# KiCad board UsbSourceMeasure.kicad_pcb (continued)
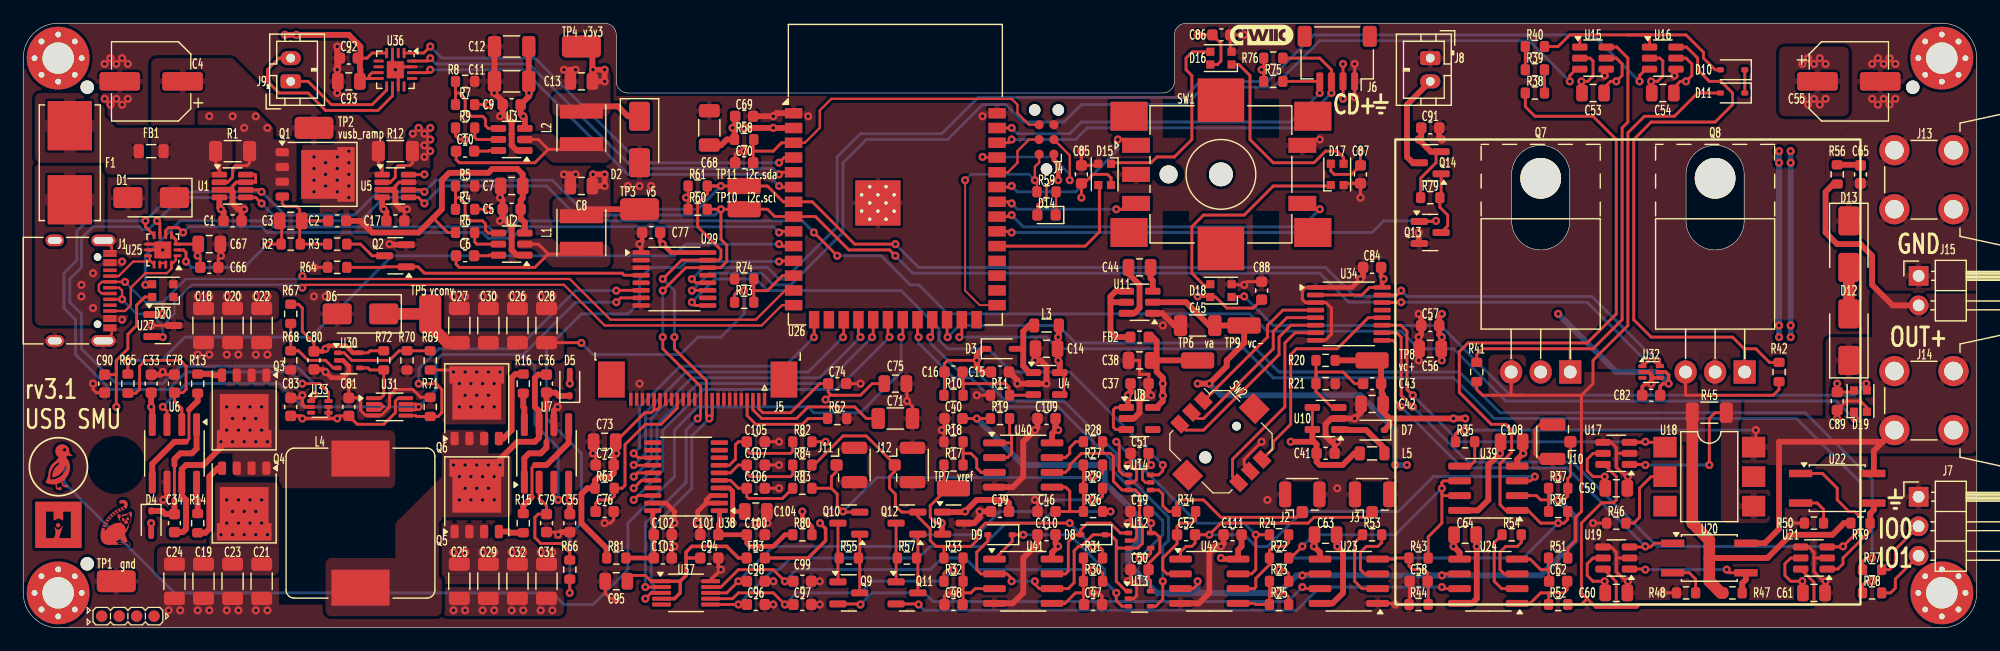
[diagram p0: board, top side]
## Routing (per net, layer and track width the routed paths; a pad name or vN(x,y) marks a point on that pad's centre or on a via; arc(x,y) is an arc through that point) (continued)
conv_ovp.comp.inn: length 7
  Front w0.25: U30.3 26.65,22.35 26,23 24.5,23 23.68,23.82 R68.1 R67.2
conv_ovp.comp.inp: length 8.6
  Front w0.25: U30.1 27.6,23.65 28.25,23 31.5,23 32.32,23.82 R70.1 R69.2
conv_ovp.output: length 5.5
  Front w0.25: 29.95,19.75 30.75,19.75 31,20 R72.2 29.82,22.18 29.65,22.35 U30.4
conv_sense.output: length 6
  Front w0.25: 62.82,29 64,29 65.29,30.29 U26.12 ; 62.82,29 R73.2 ; 62.82,29 R74.1
cv_amps.inn.1: length 44
  Front w0.25: R28.2 92.82,15 92.75,15 ; 94,7 94,7.5 93.5,8 D8.1 92,8 91,7 90.75,7 90.38,6.62 90.38,3.88 89.87,3.37 U41.6 87.38,3.37 87,3.75 v1(87,4) ; 94,7 94.15,6.85 U12.3 95.85,6.85 96.25,7.25 96.25,8.75 96,9 96,11.5 95.65,11.85 U14.3 94.5,11.85 93.75,12.6 93.75,14.75 93.5,15 92.75,15 ; 94,7 94,4 94.85,3.15 U13.1 ; D9.2 82.95,7.45 82,6.5 82,5 82.37,4.63 U41.2 84.62,4.63 85,4.25 v1(85,4) ; 92.75,15 91,15 90,14 90,13.75 89.62,13.37 U40.6
  Bottom w0.25: v1(85,4) v1(87,4)
cv_amps.inp.1: length 9.8
  Front w0.25: 90,10 R26.2 R29.2 R27.2 ; 90,10 90,11.75 89.66,12.09 U40.5 ; 90,10 C46.1
cv_amps.out.1: length 3.6
  Front w0.25: R28.1 90.5,16 90,15.5 90,15 89.63,14.63 U40.7
dac.out0: length 39.7
  Front w0.25: v1(61.5,2) C96.1 59.2,2 ; R26.1 v1(93.5,10)
  Bottom w0.25: v1(93.5,10) 88.5,10 87.5,9 84.5,9 82.5,7 78,7 77,6 66,6 65,5 64.5,5 v1(61.5,2)
dac.out1: length 25
  Front w0.25: 59.2,2.5 61,2.5 61.5,3 64.5,3 v1(65.5,2) C97.1 ; R32.1 79.18,4.67 79.5,5 v1(80,5)
  Bottom w0.25: v1(65.5,2) 66.5,3 72,3 73,4 79,4 v1(80,5)
dac.out2: length 37.7
  Front w0.25: v1(92,11) 92.5,11 92.82,11.33 R29.1 ; v1(61.5,4) 60.5,3 59.2,3
  Bottom w0.25: v1(61.5,4) 64.5,7 76,7 77,8 82,8 84,10 87,10 88,11 v1(92,11)
dac.out3: length 37.4
  Front w0.25: C99.1 v1(65.5,4) 64.5,5 61.5,5 60,3.5 59.2,3.5 ; R30.1 92.82,4.67 92.5,5 v1(92,5)
  Bottom w0.25: v1(65.5,4) 66.5,5 78,5 79,6 81,6 82,5 v1(92,5)
dac_ferrite.pwr_out: length 17.8
  Front w0.25: C95.1 51.95,4.5 53.5,4.5 54,4 U37.1
  Front w0.3: 57,6 58.05,6 ; 57,6 57,6.5 57.5,7 60.5,7 61.5,6 FB3.2 ; 57,6 57,4.5 56.5,4 ; 54.8,2.5 56,2.5 56.5,3 56.5,4 ; 56.5,4 54.8,4
dir.a: length 13.5
  Front w0.25: U34.4 108.32,27.32 107,26 107,25 101.54,19.54 SW2.1
dir.b: length 19.2
  Front w0.25: SW2.4 107.5,15.44 107.5,16 109,17.5 109,23.5 109.5,24 113,24 115.68,26.68 U34.12
dir.c: length 16.5
  Front w0.25: SW2.3 99.98,17 101.5,17 108,23.5 108,25 109.03,26.02 U34.6
dir.center: length 15.4
  Front w0.25: U34.5 108.68,26.68 107.5,25.5 107.5,24 101.5,18 101,18 SW2.2
dir.d: length 17.1
  Front w0.25: SW2.6 104,12.98 104,14.5 108.5,19 108.5,24.5 109.38,25.38 U34.7
dut0_clamp.signal_out: length 95.3
  Front w0.25: U26.24 79.44,25.05 v1(79.5,25) ; R77.2 158.18,5.67 158.5,6 v1(159,6)
  Bottom w0.25: v1(159,6) 159,12.73 153.23,18.5 127,18.5 123.5,22 108,22 105.5,24.5 90.5,24.5 89,26 80.5,26 v1(79.5,25)
dut1_clamp.signal_out: length 94.8
  Front w0.25: R78.2 158.18,3.67 158.5,4 v1(159,4) ; v1(80.5,25) 80.72,25.21 U26.25
  Bottom w0.25: v1(80.5,25) 88,25 89,24 105,24 107.5,21.5 123,21.5 126.5,18 152.5,18 158,12.5 158,5 v1(159,4)
dutio.io0: length 5.7
  Front w0.25: J7.2 161,6.73 161,5.5 160.5,5 R77.1 160.1,5
dutio.io1: length 5
  Front w0.25: J7.3 161,4.19 161,3.41 160.59,3 R78.1
enc.a: length 14.8
  Front w0.25: v1(85,38) 84.91,37.91 U26.35 ; v1(94.13,42) 95.2,42 SW1.A
  Bottom w0.25: v1(85,38) 85.5,37.5 90.5,37.5 94.13,41.13 v1(94.13,42)
enc.b: length 12.4
  Front w0.25: U26.34 84.86,36.64 v1(85,36.5) ; v1(94,36) 95.25,36 95.7,36.45
  Bottom w0.25: v1(94,36) 85.5,36 v1(85,36.5)
enc.sw: length 30.5
  Front w0.25: v1(111.5,36) 110.5,36 SW1.S1 ; U26.33 84.87,35.37 v1(85,35.5)
  Bottom w0.25: v1(85,35.5) 86,34.5 110,34.5 v1(111.5,36)
fan.pwr: length 8.6
  Front w0.5: Q14.3 119.5,40 119,40.5 119,45 J8.2
fan_drv.control: length 39.7
  Front w0.25: v1(121.5,35) 121.45,34.95 Q13.1 ; v1(85,34) 84.9,34.1 U26.32
  Bottom w0.25: v1(85,34) 116,34 117,35 v1(121.5,35)
fan_drv.pre.drain: length 5.6
  Front w0.25: Q14.1 121.94,37.11 R79.2 121.82,36.17 122.5,35.5 122.5,34.56 Q13.3
filt_vcontroln.pwr_out: length 7.8
  Front w0.5: FB2.2 94,25 93.5,25.5 93.5,28 ; 93.5,28 93.5,28.5 93.95,28.95 U11.4 ; 93.5,28 U11.5
filt_vusb.pwr_out: length 2.2
  Front w0.25: R1.1 16.54,40 16.86,39.67 U1.1
i2c_pull.i2c.scl: length 228.9
  Front w0.25: v1(55,29) 56.97,30.98 U29.14 59.97,30.98 60.5,31.5 60.5,32.91 60,33.41 v1(60,36) ; v1(75,32) 74.5,32.5 71,32.5 68.13,35.37 U26.8 64.63,35.37 64,36 TP10.1 v1(60,36) ; 58.25,19.73 58.25,18.25 v1(58,18) ; v1(34.5,36.5) 33.97,37.02 U5.5 ; R60.2 v1(60,36) ; U1.5 19.97,37.02 v1(20.5,36.5) ; 58.25,19.75 58.25,20.75 55,24 v1(55,25) ; U25.6 11.75,34.75 v1(11.5,35) ; U33.1 24.75,19.75 v1(25,20) ; v1(139.5,23) 139.25,22.75 U32.1 ; U34.14 118.47,27.98 v1(118.5,28) ; 54.8,3.5 v1(53.5,3.5)
  Bottom w0.25: v1(55,25) v1(55,29) ; v1(60,36) 59.5,35.5 47.5,35.5 45,38 36,38 v1(34.5,36.5) 34,37 31,37 29,35 22,35 v1(20.5,36.5) 20,37 13.5,37 v1(11.5,35) 10.75,34.25 10.25,34.25 10,34.5 6,34.5 5,33.5 5,31 4,30 4,28 5,27 5,24 8,21 12,21 13.5,22.5 23.5,22.5 25,21 v1(25,20) ; v1(139.5,23) 134.5,28 v1(118.5,28) 114,28 111.5,30.5 76.5,30.5 v1(75,32) ; v1(53.5,3.5) 53.5,9 57,12.5 57,17 v1(58,18)
i2c_pull.i2c.sda: length 241.2
  Front w0.25: v1(20.5,37.5) 20.32,37.67 U1.6 ; R61.2 58.82,37.33 58,36.5 58,34.5 60,32.5 60,31.81 59.81,31.62 U29.15 56.62,31.62 v1(55,30) ; R61.2 TP11.1 64,38 65.36,36.64 U26.7 67.86,36.64 71.5,33 v1(75,33) ; R61.2 v1(60,38) ; U25.7 10.5,34.51 v1(10.5,35) ; v1(56,25) 56,24 58.75,21.25 58.75,20.25 ; v1(24,21) 25.5,21 26.25,20.25 U33.6 ; U5.6 34.32,37.67 v1(34.5,37.5) ; 59.25,19.73 59.25,18.25 v1(59,18) 58.75,18.25 58.75,19.73 ; v1(53.5,2.5) 54,3 54.8,3 ; U32.6 140.75,22.75 v1(140.5,23) ; U34.15 118.12,28.62 v1(118.5,29)
  Bottom w0.25: v1(56,25) 56,29 v1(55,30) ; v1(60,38) 58,36 48,36 45.5,38.5 35.5,38.5 v1(34.5,37.5) 30.5,37.5 28.5,35.5 22.5,35.5 v1(20.5,37.5) 13,37.5 v1(10.5,35) 5.5,35 4.6,34.1 4.6,31.6 3.5,30.5 3.5,27.5 4.5,26.5 4.5,23.5 7.5,20.5 12.5,20.5 14,22 23,22 v1(24,21) ; v1(53.5,2.5) 54.25,3.25 54.25,3.63 54,3.88 54,8.5 57.5,12 57.5,16.5 v1(59,18) ; v1(75,33) 77,31 112,31 114.5,28.5 118,28.5 v1(118.5,29) 119,28.5 134.9,28.5 140.4,23 v1(140.5,23)
ioe_ctl.io.off_0: length 51.7
  Front w0.25: U29.9 57.78,27.73 v1(57.5,28) ; U14.6 97.65,13.15 98,13.5 v1(98,14)
  Bottom w0.25: v1(98,14) 90,22 85,22 83,24 79.5,24 78.75,24.75 78.75,25.75 75.5,29 64,29 63,30 59.5,30 v1(57.5,28)
ioe_ui.io.irange_0: length 34.3
  Front w0.25: U34.11 118.47,26.02 119,25.5 119,20.5 v1(119.5,20) ; v1(139.5,16) 139.45,15.95 U17.3 140.78,15.95 U18.1
  Bottom w0.25: v1(119.5,20) 123.5,16 v1(139.5,16)
ioe_ui.io.irange_1: length 36.8
  Front w0.25: U34.9 117.78,24.73 118,24.5 118,19.5 v1(118.5,19) ; 139.5,6.95 U19.3 ; 139.5,6.95 139.95,6.95 140.27,7.27 U20.1 ; 139.5,6.95 v1(139.5,7)
  Bottom w0.25: v1(139.5,7) 132.75,13.75 123.75,13.75 v1(118.5,19)
ioe_ui.io.irange_2: length 62.1
  Front w0.25: 156.45,6.95 v1(156.5,7) ; 156.45,6.95 158,8.5 158,9.5 157.5,10 157,10 156,11 156,12 154.73,13.27 U22.1 ; 156.45,6.95 U21.3 ; v1(119.5,19) 118.5,20 118.5,25 118.12,25.38 U34.10
  Bottom w0.25: v1(156.5,7) 140.5,7 133.25,14.25 124.25,14.25 v1(119.5,19)
led.res.a: length 2
  Front w0.2: D14.1 88.82,35.54 R59.1
mcu.program_boot_node: length 22.6
  Front w0.16: v1(81,38.5) 81,29 82.25,27.75 U26.27
  Front w0.2: J4.2 87.37,40.02 87,39.66 v1(87,38.5) 87.18,38.33 R59.2
  Bottom w0.2: v1(81,38.5) 81.5,39 86.5,39 v1(87,38.5)
mcu.program_en_node: length 30.7
  Front w0.2: J4.6 86.5,43.27 85.5,44.27 85.5,45 85,45.5 69.5,45.5 68.5,44.5 68.5,43 67.22,41.72 U26.3
  Front w0.25: 62.78,41 62.78,40.05 ; 62.78,41 64.5,41 65.22,41.72 U26.3 ; 62.78,41 62.78,41.95 R58.2
mcu.program_uart_node.a_tx: length 14
  Front w0.2: v1(82.5,40.5) 82.55,40.45 U26.37 ; J4.3 90,40.63 v1(90,38.5)
  Bottom w0.2: v1(90,38.5) 90,39 88.5,40.5 v1(82.5,40.5)
mcu.program_uart_node.b_tx: length 5.4
  Front w0.2: J4.4 86.5,42 85.5,41 85.5,40 84.68,39.18 U26.36
mi_rc.output: length 8.3
  Front w0.25: R84.2 66.18,13.17 66,13 62.5,13 62.22,13.27 C107.1 61.5,14 60.82,13.33 U38.6
mv_rc.output: length 7.7
  Front w0.25: R83.2 65.3,11.12 62.38,11.12 62.22,11.27 C106.1 61.5,12 60.82,12.67 U38.5
oled.device.vcomh: length 13.3
  Front w0.25: 74,18 72.5,18 71.5,19 67.5,19 66.5,18 63.5,18 62.75,18.75 J5.3
oled.iref_res.a: length 8.8
  Front w0.25: R62.1 67.5,18 67,17.5 63,17.5 62.25,18.25 J5.4
oled.reset: length 14.3
  Front w0.25: J5.16 56.25,18.9 54.85,17.5 53.5,17.5 51.75,15.75 51.75,12.25 51.5,12 R63.2 50.82,11.33 50.5,11 49.5,11 49.22,10.73 C76.1
outp.port: length 69.3
  Front w0.25: v1(149,17) 149,15.73 U18.6 ; v1(124,17) 123.5,17 123.18,16.67 R35.1
  Front w0.5: 159.96,16.04 159.15,15.23 U22.4 ; 159.96,16.04 J14.1 ; 159.96,16.04 159.92,16 151,16 151,8.5 149.77,7.27 U20.4 ; J15.2 160.77,27.73 159,29.5 159,32 158,33 156,33 155,34 155,37.5 155.68,38.17 R56.1
  Bottom w0.25: v1(149,17) v1(124,17)
pd.ic.vconn: length 0.5
  Front w0.2: 11.75,31.38 12.25,31.38
pd.int: length 56
  Front w0.25: U25.5 12.25,34.16 12.5,34.41 13.34,34.41 v1(13.75,34) ; v1(65,34) 65.1,34.1 U26.9
  Bottom w0.25: v1(65,34) 64.5,34.5 43,34.5 42,33.5 40,33.5 39.5,34 21,34 20.5,34.5 14.25,34.5 v1(13.75,34)
qwiic_pull.i2c.scl: length 32.6
  Front w0.25: R75.2 J6.4 ; v1(85,43) 84.99,42.99 U26.39
  Bottom w0.25: v1(111.5,46) 109,43.5 91,43.5 90,42.5 85.5,42.5 v1(85,43)
qwiic_pull.i2c.sda: length 36.1
  Front w0.25: U26.38 84.72,41.72 v1(85,42) ; R76.2 111.5,49 112.5,48 J6.3
  Bottom w0.25: v1(85,42) 90.5,42 91.5,43 109.5,43 v1(112.5,46)
ramp.ctl_fet.drain: length 3.7
  Front w0.25: R3.2 29,33 30,32 Q2.3
ramp.div.center: length 10.1
  Front w0.25: R3.1 R2.2 23.78,33.05 23.78,35 ; Q1.4 22.28,36.48 22.5,36.25 23.5,36.25 23.78,35.98 23.78,35 ; 23.78,35 C2.2
ramp_pull.io: length 25.6
  Front w0.25: R64.2 31,31 31.05,31.05 Q2.1 33.95,31.05 34.5,30.5 51.5,30.5 51.68,30.32 U29.4
ref_buf.output: length 6.2
  Front w0.25: U40.2 84.63,14.63 85,15 85,16.5 84.82,16.67 R19.1 ; U40.1 85,15.91
ref_div.output: length 5.8
  Front w0.25: U40.3 82.38,13.37 82,13.75 82,14.5 81.5,15 80.82,15 ; 80.82,15 R17.2 ; 80.82,15 R18.1
reg_3v3.boot_cap.neg: length 14.5
  Front w0.25: 45.15,41.15 48,41.15 ; 45.15,41.15 44,40 37.5,40 37.22,40.27 C10.2 ; 45.15,41.15 44.3,42 U3.2
reg_3v3.boot_cap.pos: length 2.1
  Front w0.25: C10.1 40,41 40.05,41.05 U3.6
reg_3v3.en_res.b: length 2.9
  Front w0.25: U3.5 39,42 38.82,42.17 R9.2
reg_3v3.fb.output: length 7.9
  Front w0.25: U3.4 40,42.95 39.75,43.2 39.75,43.75 39.5,44 38.5,44 38,44.5 38,45.5 37.5,46 37.18,46 ; 37.18,46 R7.2 ; 37.18,46 R8.1
reg_v5.boot_cap.neg: length 14.5
  Front w0.25: C6.2 37.22,31.27 37.5,31 44,31 45.15,32.15 ; 45.15,32.15 44.3,33 U2.2 ; 45.15,32.15 48,32.15
reg_v5.boot_cap.pos: length 2.1
  Front w0.25: C6.1 40,32 40.05,32.05 U2.6
reg_v5.en_res.b: length 2.9
  Front w0.25: R6.2 38.82,33.17 39,33 U2.5
reg_v5.fb.output: length 7.9
  Front w0.25: U2.4 40,33.95 39.75,34.2 39.75,34.75 39.5,35 38.5,35 38,35.5 38,36.5 37.5,37 37.18,37 ; R5.1 37.18,37 ; 37.18,37 R4.2
reg_v12.fb.output: length 8.8
  Front w0.25: R10.2 80.82,22 ; R11.1 86.81,20 ; 84.78,20 84.78,20.73 84.5,21 80.82,21
reg_v12.power_path.switch: length 6.2
  Front w0.5: L3.2 86.5,26 86,25.5 86,24 ; 86,24 86,22.5 86.55,21.95 U4.1 ; 86,24 D3.2
reg_vcontrol.fb.output: length 10
  Front w0.25: 111.18,21.68 R21.1 111.18,20.32 112.55,18.95 U10.3 ; 111.18,21.68 R20.2 ; 111.18,21.68 111.18,22 113.5,22 114.5,21 C43.2
reg_vcontrol.power_path.switch: length 5
  Front w0.5: U10.1 113.95,17.05 114,17 115.5,17 117.06,15.44 L5.2
reg_vcontroln.cf.neg: length 2.1
  Front w0.5: C44.2 96.95,30.05 97.14,29.86 U11.3
reg_vcontroln.cf.pos: length 5.2
  Front w0.5: U11.6 95.55,27.05 96,27.5 96,29.5 95.05,30.45 C44.1
rgbs.din: length 13.4
  Front w0.25: U26.31 91.33,32.83 92.55,34.05 92.55,37.98 D15.3
rgbs.led[0].dout: length 17.3
  Front w0.25: D16.3 100.55,49.55 100,49 100,48 100.5,47.5 100.5,42 99,40.5 97.5,40.5 97,40 93.63,40 D15.1
rgbs.led[1].dout: length 17.5
  Front w0.25: D17.3 113.55,40.45 113,41 112,41 111,40 107.5,40 105.5,42 105.5,47.5 104.55,48.45 D16.1
rgbs.led[2].dout: length 19.4
  Front w0.25: D17.1 112.37,38 107.5,38 105,35.5 101.5,35.5 100.5,34.5 100.5,30.5 101.55,29.45 102,29.45
rgbs.led[3].dout: length 59.2
  Front w0.25: D18.1 103.97,28.5 v1(105,28.5) ; v1(158.5,21) 158.5,20.39 158.55,20.34
  Bottom w0.25: v1(105,28.5) 107.5,26 121.9,26 127.9,20 157.5,20 v1(158.5,21)
rgbs.led[4].dout: length 159.7
  Front w0.25: v1(10.5,29.5) 10.55,29.55 D20.3 ; 157.45,18.5 157.45,18.05 v1(157.5,18) ; v1(70,32) v1(68,34)
  Bottom w0.25: v1(70,32) 73.78,32 76.28,29.5 77,29.5 79.5,27 105.5,27 107,25.5 118.5,25.5 120,24 123,24 127.5,19.5 155.93,19.5 157.43,18 v1(157.5,18) ; v1(10.5,29.5) 10.5,32 13.5,35 21,35 21.5,34.5 40,34.5 40.5,34 41.5,34 42.5,35 67,35 v1(68,34)
spk_drv.i2s.sck: length 37.1
  Front w0.25: v1(35,49) 34.75,48.75 U36.16 ; v1(65,39) 65.18,39.18 U26.5
  Bottom w0.25: v1(65,39) 64.5,39.5 52.5,39.5 43.5,48.5 35.5,48.5 v1(35,49)
spk_drv.i2s.sd: length 38.1
  Front w0.25: v1(35,50) 34.44,49.44 U36.1 ; U26.4 65.45,40.45 v1(65,40)
  Bottom w0.25: v1(35,50) 36,49 44,49 53,40 v1(65,40)
spk_drv.i2s.ws: length 37.1
  Front w0.25: v1(65,38) 65.09,37.91 U26.6 ; v1(35,48) 34.75,47.75 U36.14
  Bottom w0.25: v1(65,38) 64,39 52,39 43,48 v1(35,48)
spk_drv.out.a: length 9.9
  Front w0.25: U36.9 31.25,46.25 30,45 26.5,45 24.5,47 J9.1
spk_drv.out.b: length 16.5
  Front w0.25: J9.2 22,49 21,48 21,47 22,46 24.5,46 26,44.5 30.5,44.5 31.75,45.75 U36.10
touch_duck.pad: length 97.1
  Front w0.25: v1(75.5,25) 75.63,25.14 U26.21
  Bottom w0.25: v1(3.55,15.3) 3.55,12.45 13,3 45.5,3 46.5,2 49,2 52,5 52,9 56,13 56,17 58,19 67.5,19 68,18.5 72,18.5 75.5,22 v1(75.5,25)
usb.cc.cc1: length 5
  Front w0.2: 10.88,31.61 11.11,31.38 11.25,31.38 ; 10.88,31.61 10.76,31.5 9.45,31.5 8.2,30.25 7.33,30.25 ; 10.88,31.61 10.88,32
usb.cc.cc2: length 8.9
  Front w0.2: 12.75,31.38 12.89,31.38 13.12,31.61 13.12,32 ; U25.14 12.75,30.9 12.35,30.5 10.5,30.5 9.25,29.25 9.25,27.75 8.75,27.25 J1.B5
usb.pwr:
  vias: v1(5,29.5) v1(5,28.5) v1(6,30.5) v1(6,27.5) v1(8.5,31.5) v1(8.5,26.5)
usb_chain_0.d_N: length 67.8
  Front w0.2: v1(12,27) 11.11,27 U27.1 ; v1(24,30.25) 24.25,30 47,30 50.5,26.5 63,26.5 65.52,29.02 U26.13 ; 7.61,28.75 6.75,28.75 6.5,29 6.5,29.5 6.75,29.75 J1.B7 v1(8.75,29.75)
  Bottom w0.2: v1(8.75,29.75) 10.5,28 12,28 ; 12,28 v1(12,27) ; 12,28 14,30 23.75,30 v1(24,30.25)
usb_chain_0.d_P: length 67.1
  Front w0.2: 8.5,28.5 8.25,28.25 7.33,28.25 ; 8.5,28.5 v1(8.5,28.25) ; 8.5,28.5 8.5,29 8.25,29.25 7.61,29.25 ; v1(24,29.25) 24.25,29.5 46.5,29.5 50,26 63.5,26 65.25,27.75 U26.14
  Bottom w0.2: 12,26 13,27 13,28 14.5,29.5 23.75,29.5 v1(24,29.25) ; 12,26 11,27 9.75,27 v1(8.5,28.25) ; 12,26 v1(12,25)
vanalog: length 95.2
  Front w0.25: 97,4.77 C50.1 ; C50.1 96.78,4.23 96.95,4.05 U13.5 ; C50.1 96.78,5.52 97.75,6.5 97.75,7.75 97.35,8.15 U12.5 96.95,8.95 v1(97,9) 96.78,9.23 C49.1 97,9.77 ; U14.5 96.5,12.5 96.25,12.76 96.25,13.5 96.75,14 v1(97,14) 96.78,14.23 C51.1
  Front w0.4: R80.1 67.82,8.67 67,9.5 v1(67,10)
  Front w0.5: v1(103,6) 103.09,5.91 U42.8 104.47,6.7 104.78,7 C111.1 ; U8.5 97.45,18.95 98,19.5 98,21.5 97.47,22.02 97.47,23 ; 97.47,23 97.47,24.67 97.14,25 FB2.1 ; 97.47,23 TP6.1 ; v1(89,17) 88.78,17.23 C109.1 88.78,17 88.47,16.7 U40.8 ; C110.1 88.78,7.23 v1(89,7) 88.47,6.48 U41.8
  In2.Cu w0.5: 91,15 96,15 ; 91,15 89,13 89,9 ; 91,15 v1(89,17) ; 96,15 v1(97,14) v1(97,9) 99,9 102,6 v1(103,6) ; 96,15 98,17 v1(98,21) ; v1(67,10) 69,10 70,11 71,11 72,10 79.5,10 80.5,9 89,9 ; 89,9 v1(89,7)
  vias: v1(98,19.97)
vcen_rc.output: length 9.6
  Front w0.25: U38.7 60.72,13.98 61.25,14.5 61.25,15.75 61.5,16 C105.1 62.22,15.27 62.5,15 66,15 66.18,15.17 R82.2
vcenter: length 99.9
  Front w0.25: v1(110,4.5) 110.13,4.63 U23.6 ; v1(122,4.5) 122.13,4.63 U24.6 ; C40.1 R19.2 ; v1(108,3) 108.5,3 108.82,2.67 R25.1 ; J10.1 133.05,13.05 132.82,12.83 R37.2 132.82,11.33 132.5,11 v1(132,11) ; R82.1 v1(69,16) ; U42.3 100.62,3.37 101,3.75 v1(101,4)
  In2.Cu w0.5: v1(82,18) 71,18 v1(69,16)
  Bottom w0.5: 101,3 97.5,3 95,5.5 95,6.5 96,7.5 96,9.5 93,12.5 93,13.5 92.5,14 86,14 v1(82,18) ; 101,3 v1(108,3) 109.5,4.5 v1(110,4.5) 121,4.5 ; 101,3 v1(101,4) ; 121,4.5 v1(122,4.5) ; 121,4.5 130.5,4.5 133.5,7.5 133.5,9.5 v1(132,11)
vcontrol: length 194.1
  Front w0.2: C61.1 153.05,3.95 v1(153,4) ; v1(136,4) 136.05,3.95 C60.1 ; C59.1 136.05,12.95 v1(136,13)
  Front w0.25: C54.1 141.95,46.45 142.5,47 v1(143,47) 143.5,47.5 143.5,48.5 143,49 U16.5 ; C53.1 135.95,46.45 136.5,47 v1(137,47) 137.5,47.5 137.5,48.5 137,49 U15.5 ; U19.5 135,6 134.5,5.5 134.5,4.5 135,4 v1(136,4) ; v1(153,4) 152,4 151.5,4.5 151.5,5.5 152,6 U21.5 ; v1(136,13) 135,13 134.5,13.5 134.5,14.5 135,15 U17.5
  Front w0.5: 116.82,21 116.82,20.18 116.95,20.05 116.95,18.55 117.5,18 ; D7.1 117.5,17.45 117.5,18 ; C108.1 127.05,15.05 v1(127,15) 126,14 126,11 125.09,10.09 U39.8 ; R20.1 116.5,23 116.78,22.73 C43.1 ; C63.1 112.95,7.05 v1(113,7) 113.5,6.5 113.5,3 112.59,2.09 U23.8 ; v1(124,18) v1(123,18) 117.5,18 ; U24.8 124.59,2.09 125,2.5 v1(125,7) 124.95,7.05 C64.1
  In2.Cu w0.5: v1(151,26) 151,12 150,11 150,7 ; 143,46 v1(143,47) ; 143,46 142,46 141,47 141,47.5 140.5,48 138,48 v1(137,47) ; 143,46 144,46 149,41 v1(151,41) v1(151,40) ; 150,7 v1(153,4) ; 150,7 149,6 136,6 v1(136,4) 136,7 ; v1(127,15) 127,18 128,18 ; v1(113,7) 121,7 122,8 124,8 v1(125,7) 136,7 ; 128,18 132.5,18 136,14.5 v1(136,13) 136,7 ; 128,18 v1(123,18)
  Bottom w0.5: v1(151,41) v1(151,25)
vcontroln: length 202.8
  Front w0.25: C54.2 140.05,46.95 v1(140,47) 140.55,47 141,47.45 141,48.75 140.75,49 U16.2 ; U15.2 134.75,49 135,48.75 135,47.45 134.55,47 v1(134,47) 134.05,46.95 C53.2 ; C63.2 111.05,7.05 v1(111,7)
  Front w0.5: C63.2 111.05,6.95 111.53,6.48 U23.5 ; U39.4 128.47,14.48 v1(129,15) 128.95,15.05 C108.2 ; v1(101,21) v1(102,21) 103.5,22.5 103.5,23 105,24.5 TP9.1 C45.1 102,26 100,28 U11.2 ; U24.5 123.53,6.48 123.05,6.95 C64.2 123.05,7.05 v1(123,7)
  In2.Cu w0.5: v1(152,40) v1(152,41) 152,41.5 151.5,42 149.5,42 142.5,49 136,49 v1(134,47) 135,46 139.07,46 140,46.93 v1(140,47) ; 118,8 v1(118,14) v1(119,14) ; 123,6 131,6 135,2 153,2 154,3 154,5 151,8 151,10 152,11 v1(152,26) ; 123,6 v1(123,7) ; 123,6 112,6 v1(111,7) 112,8 120,8 121,9 123,9 v1(129,15)
  Bottom w0.5: v1(119,14) v1(118,14) 118,17 115,20 103,20 v1(102,21) v1(101,21) ; v1(152,41) v1(152,25)
vconv: length 39.9
  Front w0.25: v1(48,24.5) 47.97,24.52 C28.1 ; v1(62,29) 61.5,29 61.18,28.68 R73.1 ; R69.1 36.82,22.18 v1(37,22)
  Front w0.5: v1(122,23) 121.95,23.05 C56.1 ; v1(122,25) 121.78,25.23 C57.1 121.78,26.77 v1(122,27)
  Front w1: D6.1 TP5.1 35,26 36.47,24.52 C27.1
  In2.Cu w0.5: v1(122,27) v1(122,23)
  Bottom w0.25: v1(48,24.5) 49,23.5 56.5,23.5 58,25 60,25 62,27 v1(62,29)
  vias: v1(37,1.5) v1(37.5,21) v1(37.5,19) v1(38,22) v1(38,20) v1(38,1.5) v1(38.5,21) v1(38.5,19) v1(39,22) v1(39,20) v1(39.5,21) v1(39.5,19) v1(39.5,1.5) v1(40,22) v1(40,20) v1(40.5,21) v1(40.5,19) v1(40.5,1.5) v1(41,22) v1(42,1.5) v1(43,1.5) v1(44.5,1.5) v1(45.5,1.5) v1(153,48.5) v1(153,45.5) v1(153.5,49) v1(153.5,45) v1(154,48.5) v1(154,45.5) v1(154.5,49) v1(154.5,45) v1(155,48.5) v1(155,45.5)
vconvin: length 4.8
  Front w0.25: R12.2 33.46,39.96 33.25,39.75 32.25,39.75 32,39.5 32,38.75 31.57,38.33 U5.2
  vias: v1(15,28.5) v1(16,28.5) v1(17,8) v1(17.5,28.5) v1(17.5,11) v1(17.5,9) v1(18,10) v1(18,8) v1(18.5,28.5) v1(18.5,11) v1(18.5,9) v1(19,10) v1(19,8) v1(19.5,11) v1(19.5,9) v1(20,28.5) v1(20,10) v1(20,8) v1(20.5,11) v1(20.5,9) v1(21,28.5) v1(21,8) v1(33.5,42.5) v1(34,43) v1(34.5,42.5) v1(34.5,41.5) v1(34.5,40.5) v1(35,43) v1(35,42) v1(35,41)
vimeas_amps.inn.0: length 4.9
  Front w0.25: 131.18,11 R36.2 ; 131.18,11 R37.1 ; 131.18,11 130.5,11 130.13,11.37 U39.2
vimeas_amps.inp.1: length 3.1
  Front w0.25: R35.2 124.82,14.33 124.41,13.91 U39.5
vref: length 42.5
  Front w0.25: 79,8.11 U9.2 78.45,8.05 ; R17.1 79.18,12.33 79.5,12 ; v1(79,9) 78.5,9 78,9.5 78,10.5 79.5,12 ; 79.5,12 TP7.1
  Front w0.3: v1(68.53,9) 69,8.52 69,7.49 67.51,6 FB3.1
  Front w0.4: U38.4 60.72,12.02 61,11.75 61,10 ; 61,10 C104.1 ; 61,10 v1(61,9)
  Front w0.5: v1(79,9) 79,8.11
  In2.Cu w0.5: v1(61,9) 62,10 65,10 66,9 ; 66,9 v1(68.53,9) ; 66,9 v1(79,9)
vusb: length 71.7
  Front w0.25: U1.2 17.57,38.33 18,38.75 18,39.5 18.25,39.75 19.25,39.75 19.46,39.96 R1.2 ; U25.2 13.79,32.5 14,32.29 v1(14,31.5) ; v1(38,42) 37.5,42 37.18,42.33 R9.1 ; v1(21,33) R2.1 22.22,33.05 22.22,35
  Front w0.5: C12.1 C11.1 43.47,46.02 v1(43.5,46) 43.5,45.73 C9.1 42.78,44.23 ; 42.78,44.23 43.14,43.86 U3.3 ; 42.78,44.23 v1(43,44)
  In2.Cu w0.5: v1(38,42) 37,43 37,46
  In2.Cu w1: 22,44 28,44 30,46 37,46 39,48 41,48 43,46 ; 22,44 v1(20,44) ; 22,44 v1(21,43) ; v1(20,44) v1(21,43) ; v1(20,44) v1(16,44) v1(18,44) v1(19,43) v1(21,43) ; v1(43,44) 43,46 ; 43,46 v1(43.5,46)
  Bottom w0.25: v1(21,33) 19,31 14.5,31 v1(14,31.5)
vusb_ramp: length 29.4
  Front w0.25: R12.1 30.54,39.96 30.86,39.64 U5.1 ; R6.1 36.5,34 35.25,35.25
  Front w0.5: U2.3 43.14,34.86 42.78,35.23 C5.1 42.78,36.77 42.95,36.95 C7.1 42.95,39.02 42.5,39.47 40.33,39.47 40,39.13 36.63,39.13 36,38.5 36,36 34,34 30,34 29,35 C2.1
  vias: v1(25,40.5) v1(25,39.5) v1(25,38.5) v1(25,37.5) v1(26,40) v1(26,39) v1(26,38) v1(27,40.5) v1(27,39.5) v1(27,38.5) v1(27,37.5) v1(28,41) v1(28,40) v1(28,39) v1(28,38) v1(28,37)

## Copper pours and planes (outline as drawn; the poured copper is in the pictures)
gnd on Front: 11.5,3.5 22,3.5 22,1 11.5,1
gnd on Front: 36,9 40,9 40,7 36,7
gnd on Front: 14,25.5 22,25.5 22,23 14,23
gnd on Front: 36,29 46.5,29 46.5,26.5 36,26.5
gnd on Front: 36,7 46.5,7 46.5,4.5 36,4.5
gnd on Front: 18,23 22,23 22,21 18,21
gnd on Front, Bottom, In1.Cu: 144.25,23.5 144.25,20 146.75,20 146.75,23.5
gnd on Front, Bottom, In1.Cu: -9,54 -9,-1 170,-1 170,54
gnd on Front, Bottom, In1.Cu: 155,41 155,33 159,33 159,29 169,29 169,43 157,43
v3v3 on Front: 50.5,48 48.5,48 48.5,46 45.5,46 45.5,44 50.5,44
v5 on Front: 50.5,39 48.5,39 48.5,37 45.5,37 45.5,35 50.5,35
v5 on In2.Cu: -11,54 -11,-1 168,-1 168,54
control.driver.out on Front: 141,20 141,16 145,16 145,20
control.driver.out on Front: 129.25,23.5 129.25,22 144.25,22 144.25,20 141.25,17 129,17 126,20 126,23.5
control.isense.ranges[0].isense.pwr_out on Front: 146,20 146,9 150.25,9 150.25,12 147.75,12 147.75,20
conv.l1 on Front: 22,17 32,17 32,12 22,12
conv.l1 on Front: 22,13 18,13 18,15 16,15 16,20.5 22,20.5
conv.l1 on Bottom: 22,15 16,15 16,21 22,21
conv.l2 on Front: 26,6 32,6 32,9 36,13 36,1 26,1
conv.l2 on Front: 36,17 40,17 40,15 42,15 42,9.5 36,9.5
conv.l2 on Bottom: 36,15 42,15 42,9 36,9
filt_vusb.pwr_out on Front: 11,43 11,35 18,35 18,43
fuse_vusb.pwr_out on Front: 1,46 1,40 7,40 7,39 11,39 11,43 8,43 7,44 7,46
outp.port on Front: 147.75,18 147.75,14 154,14 155,15 155,18
outp.port on Front: 155,25 159,25 159,29 169,29 169,15 155,15
reg_3v3.boot_cap.neg on Front: 50.5,42 46,42 45.5,42.5 42.5,42.5 42.5,41.5 44,41.5 45.5,40 50.5,40
reg_v5.boot_cap.neg on Front: 50.5,33 46,33 45.5,33.5 42.5,33.5 42.5,32.5 44,32.5 45.5,31 50.5,31
usb.pwr on Front: 8,34 8,26 1,26 1,40 7,40 7,34
usb.pwr on Front, Bottom, In2.Cu: 6.5,31.75 5,30.25 5,27.75 6.5,26.25 9,26.25 9,31.75
vconv on Front: 36,23 42,23 42,17.5 36,17.5
vconv on Front: 36,3.5 46.5,3.5 46.5,1 36,1
vconv on Front: 36,25.5 46.5,25.5 46.5,23 36,23
vconv on Front: 151,50 157,50 157,44 151,44
vconv on Bottom: 36,23 42,23 42,17 36,17
vconv on In2.Cu: 34,23 32,21 32,0 47,0 47,21 45,23
vconv on In2.Cu: 138,18 138,47 150,47 152,49 156,49 156,30 152,26 152,18
vconv on In2.Cu: 113,8 123,18 138,18 138,25 117,25 100,8
vconv on In2.Cu: 47,10 48,9 112,9 112,0 47,0
vconvin on Front: 33,42 33,40 34,39 35,39 35,43 34,43
vconvin on Front: 11.5,7 22,7 22,4.5 11.5,4.5
vconvin on Front: 14,29 22,29 22,26.5 14,26.5
vconvin on Front: 16,12.5 22,12.5 22,7 16,7
vconvin on Bottom: 22,7 16,7 16,13 22,13
vconvin on In2.Cu: 15,43 16,44 28,44 30,46 37,46 37,37 26,26 26,18 23,18 23,8 21,6 13,6 11,8 11,19 5,19 1,23 1,38 6,43
vusb on Front: 21.5,43 21.5,42 23.5,42 23.5,36.5 24.5,36.5 24.5,34.5 18.5,34.5 18.5,38.5 18,39 18,43
vusb on Front: 20,44.5 21.5,43 15,43 15,44.5
vusb_ramp on Front: 11,49 11,42 31,42 27,46 21,46 18,49
vusb_ramp on Front: 24,42 24,36.5 25.5,36.5 25.5,34 30,34 30,39 31,39 31,42
vusb_ramp on Bottom: 29,42 29,36 23,36 23,42

Small or netless copper shapes (teardrops, artwork), in the pictures only: 1 on In1.Cu, 1 on In2.Cu

## Text on the board
F.Silkscreen: rv3.1 / USB SMU | C | D | + | ⏚ | IO0 | IO1 | GND | OUT+
